# Altium PCB PuttPilot-Dev.PcbDoc (part 1 of 2) (continued)
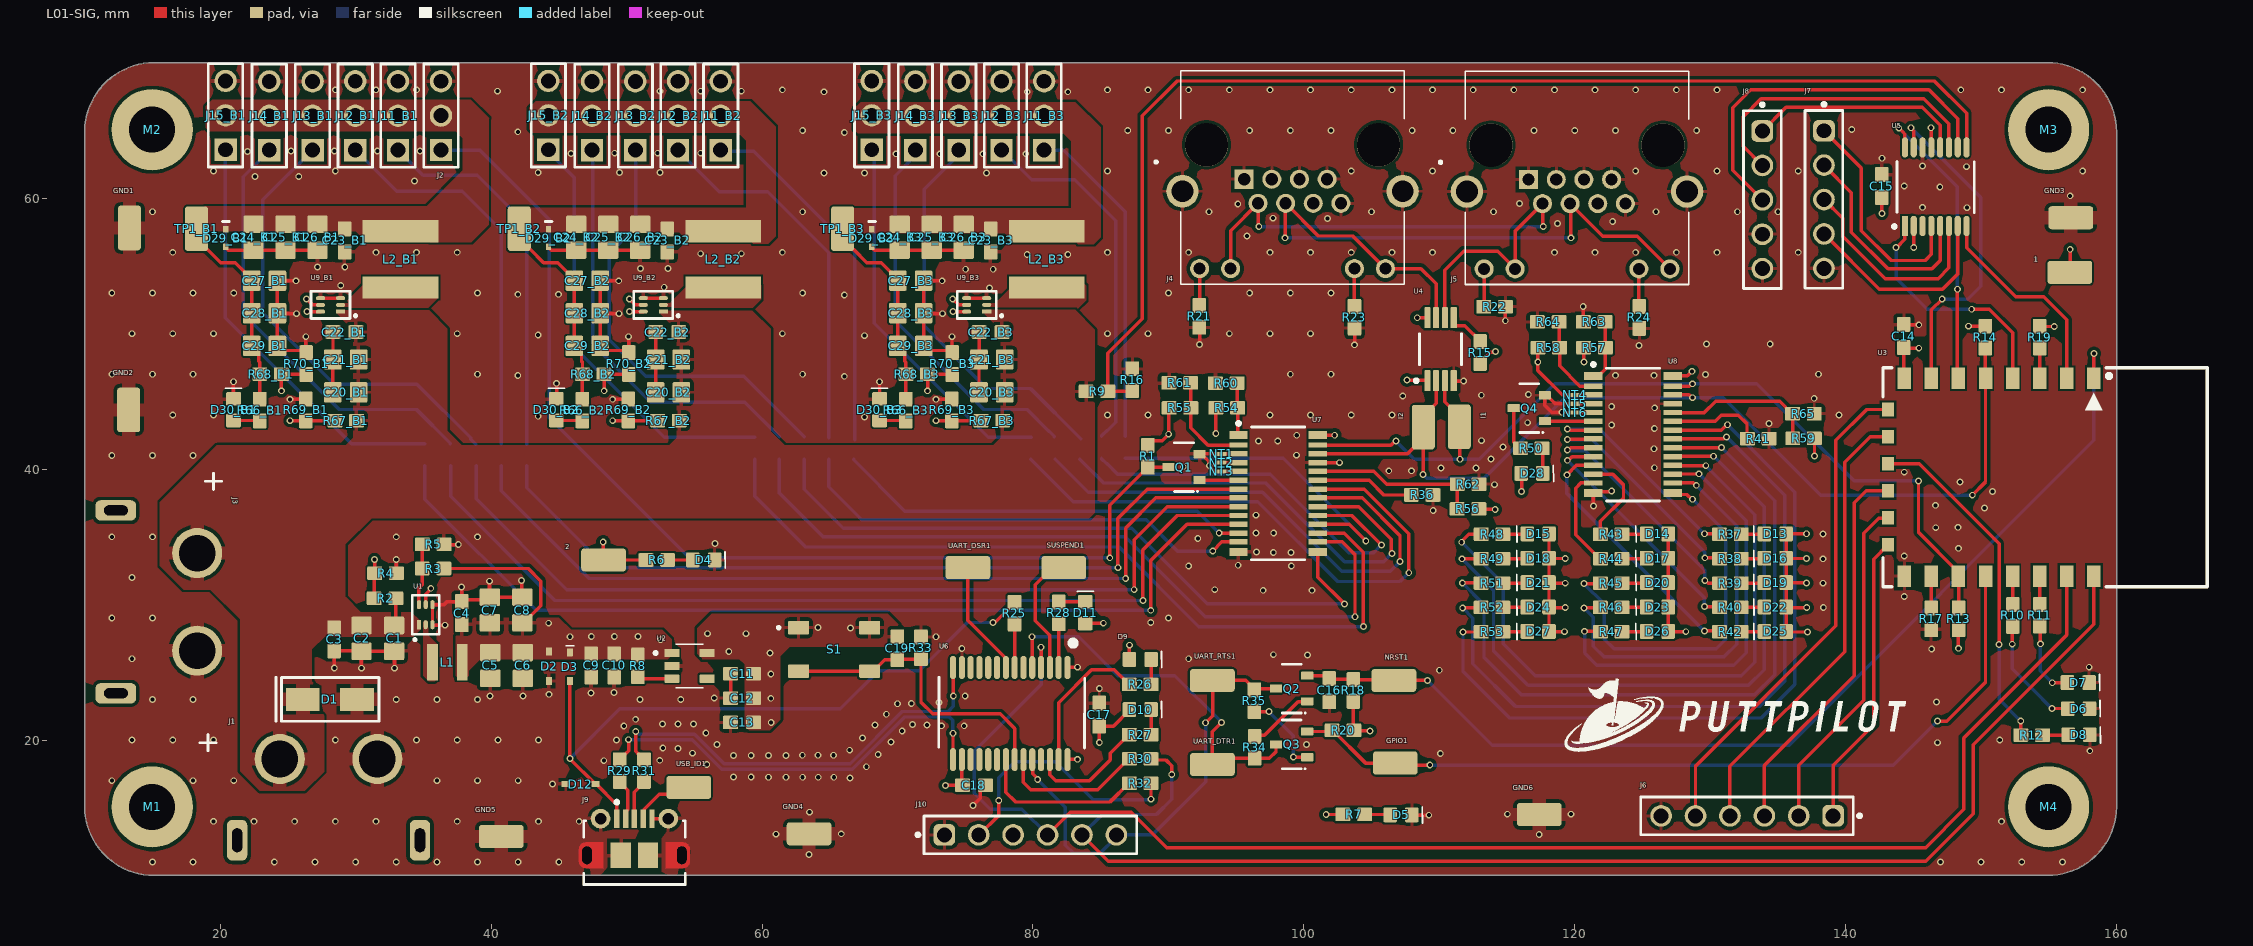
[diagram p0: L01-SIG view]
## Part data (continued)
L1: "FIXED IND 4.7uH 1.06A", Case/Size Code=1212, DC Resistance (DCR)=130m, Inductance-Nom (L)=4.7uH, Inductor Application="POWER INDUCTOR", Inductor Type="GENERAL PURPOSE INDUCTOR", Manufacturer="Taiyo Yuden", Max Operating Temperature=120°C, Min Operating Temperature=-25°C, Package Height=1.2mm, Package Length=3mm, Package Style=SMTMeter, Rated Current-Max=1.06A, Self Resonant Frequency=50MHz, Supplier Part Number 1=587-2591-1-ND, Test Frequency=100kHz, Tolerance=20%, Category="Fixed Inductors", ComponentLink1Description=https://datasheet.ciiva.com:443/pdfs/VipMasterIC/IC/TAIY/TAIY-S-A0009100136/TAIY-S-A0009100438-1.pdf?src-supplier=IHS+Markit, ComponentLink1URL=https://datasheet.ciiva.com:443/pdfs/VipMasterIC/IC/TAIY/TAIY-S-A0009100136/TAIY-S-A0009100438-1.pdf?src-supplier=IHS+Markit, ComponentLink2Description=https://datasheet.ciiva.com/6689/nrh3012t4r7mn-ss-6689125.pdf?src-supplier=Digikey, ComponentLink2URL=https://datasheet.ciiva.com/6689/nrh3012t4r7mn-ss-6689125.pdf?src-supplier=Digikey, ComponentLink3Description=https://datasheet.ciiva.com/25607/0900766b810b3cd2-25607859.pdf?src-supplier=Rs, ComponentLink3URL=https://datasheet.ciiva.com/25607/0900766b810b3cd2-25607859.pdf?src-supplier=Rs, ComponentLink4Description=https://datasheet.ciiva.com/8502/nrh3012t4r7mn-ss-8502637.pdf?src-supplier=Avnet, ComponentLink4URL=https://datasheet.ciiva.com/8502/nrh3012t4r7mn-ss-8502637.pdf?src-supplier=Avnet, ComponentLink5Description=https://datasheet.ciiva.com/8002/wound04-e-8002198.pdf?src-supplier=Element14, ComponentLink5URL=https://datasheet.ciiva.com/8002/wound04-e-8002198.pdf?src-supplier=Element14, Construction=Chip, Core Material=Ferrite, Manufacturer Part Number=NRH3012T4R7MN, Number of Functions=1, Number of Pins=2, Package Width=3mm, Packaging="Tape and Reel", Pricing 1="1=0.22, 10=0.174, 25=0.1572, 50=0.1458, 100=0.1351, 250=0.12216, 500=0.1132, 1000=0.10487 (USD)", Reach SVHC Compliant=Yes, RoHS=Yes, RoHS Compliant=Yes, Shape/Size Description="RECTANGULAR PACKAGE", Shielding=Shielded, Stock 1=136715, Supplier 1=Digikey, Surface Mount=Yes, Terminal Placement="Dual Ended", Termination="One Surface"
L2_B1 L2_B2 L2_B3: "FIXED IND 5.6uH 10A 15.8mOhm", Current Rating=10A, DC Resistance=15.8m, Inductance=5.6uH, Inductor Type="GENERAL PURPOSE INDUCTOR", Manufacturer=Bourns, Supplier Part Number 1=SRP6060FA-5R6MCT-ND, Category="Fixed Inductors", ComponentLink1Description=https://datasheet.ciiva.com:443/pdfs/VipMasterIC/IC/BOUR/BOUR-S-A0006601820/BOUR-S-A0006601820-1.pdf?src-supplier=IHS+Markit, ComponentLink1URL=https://datasheet.ciiva.com:443/pdfs/VipMasterIC/IC/BOUR/BOUR-S-A0006601820/BOUR-S-A0006601820-1.pdf?src-supplier=IHS+Markit, ComponentLink2Description=https://www.bourns.com/docs/Product-Datasheets/SRP6060FA.pdf?src-supplier=Digikey, ComponentLink2URL=https://www.bourns.com/docs/Product-Datasheets/SRP6060FA.pdf?src-supplier=Digikey, ComponentLink3Description=https://datasheet.octopart.com/SRP6060FA-5R6M-Bourns-datasheet-154834317.pdf?src-supplier=Electro+Sonic, ComponentLink3URL=https://datasheet.octopart.com/SRP6060FA-5R6M-Bourns-datasheet-154834317.pdf?src-supplier=Electro+Sonic, ComponentLink4Description=https://datasheet.octopart.com/SRP6060FA-5R6M-Bourns-datasheet-110646386.pdf?src-supplier=Master+Electronics, ComponentLink4URL=https://datasheet.octopart.com/SRP6060FA-5R6M-Bourns-datasheet-110646386.pdf?src-supplier=Master+Electronics, Manufacturer Part Number=SRP6060FA-5R6M, Pricing 1="1=1.86, 10=1.444, 25=1.3052, 50=1.209, 100=1.1199, 250=1.01164 (USD)", Reach SVHC Compliant=Yes, RoHS=Yes, RoHS Compliant=Yes, Stock 1=1553, Supplier 1=Digikey
M1 M2 M3 M4: ".HOLE M3"
NT1 NT2 NT3 NT4 NT5 NT6: ".GENERIC NET TIE"
Q1 Q4: "MOSFET N-CH 60V 1.6A SOT-23", Case/Package=SOT-23, Continuous Drain Current (ID)=1.6A, Drain to Source Resistance=140mR, Drain to Source Voltage (Vdss)=60V, Gate to Source Voltage (Vgs)=20V, Input Capacitance=315pF, Manufacturer=Diodes, Max Operating Temperature=150°C, Max Power Dissipation=700mW, Min Operating Temperature=-55°C, Package Quantity=1, Supplier Part Number 1=4046633, Threshold Voltage=3V, Category=MOSFETs, ComponentLink1Description=https://datasheet.ciiva.com/29747/dmn6140l-29747654.pdf?src-supplier=Digikey, ComponentLink1URL=https://datasheet.ciiva.com/29747/dmn6140l-29747654.pdf?src-supplier=Digikey, ComponentLink2Description=https://datasheet.ciiva.com/29747/dmn6140l-29747660.pdf?src-supplier=Digikey, ComponentLink2URL=https://datasheet.ciiva.com/29747/dmn6140l-29747660.pdf?src-supplier=Digikey, Fall Time=2.7ns, Lead Free="Lead Free", Manufacturer Part Number=DMN6140L-7, Mount="Surface Mount", Number of Channels=1, Number of Pins=3, Packaging="Tape and Reel", Polarity=N-CHANNEL, Pricing 1="3000=0.0489, 9000=0.047, 15000=0.0462, 45000=0.0445, 75000=0.043 (USD)", Rds On Max=140mR, Reach SVHC Compliant=No, Rise Time=3.6ns, RoHS=Yes, RoHS Compliant=Yes, Series=-, Stock 1=624000, Supplier 1="Future Electronics", Turn-Off Delay Time=16.3ns, Turn-On Delay Time=2.6ns, Weight=0.000282oz
Q2 Q3: "NPN BJT 40V 600mA SOT-23", Collector-emitter Voltage-Max=40V, DC Current Gain-Min (hFE)=40, Manufacturer=Diodes, Max Collector Current=600mA, Max Operating Temperature=150°C, Package Body Material=Plastic, Package Shape=Rectangular, Package Style="SMALL OUTLINEMeter", Peak Reflow Temperature (Cel)=260°C, Power Dissipation-Max (Abs)=300mW, Supplier Part Number 1=4135070, Time @ Peak Reflow Temperature-Max (s)=40s, Transition Frequency-Nom (fT)=300MHz, Additional Feature="HIGH RELIABILITY", Category=BJTs, ComponentLink1Description=https://datasheet.ciiva.com:443/pdfs/VipMasterIC/IC/DIOD/DIOD-S-A0001811952/DIOD-S-A0001811952-1.pdf?src-supplier=IHS+Markit, ComponentLink1URL=https://datasheet.ciiva.com:443/pdfs/VipMasterIC/IC/DIOD/DIOD-S-A0001811952/DIOD-S-A0001811952-1.pdf?src-supplier=IHS+Markit, ComponentLink2Description=https://datasheet.ciiva.com/15139/getdatasheetpartid-82692-15139078.pdf?src-supplier=Verical, ComponentLink2URL=https://datasheet.ciiva.com/15139/getdatasheetpartid-82692-15139078.pdf?src-supplier=Verical, ComponentLink3Description=https://datasheet.ciiva.com/11198/ds30041-11198965.pdf?src-supplier=Avnet, ComponentLink3URL=https://datasheet.ciiva.com/11198/ds30041-11198965.pdf?src-supplier=Avnet, ComponentLink4Description=https://datasheet.ciiva.com/11201/ds30041-11201864.pdf?src-supplier=Avnet, ComponentLink4URL=https://datasheet.ciiva.com/11201/ds30041-11201864.pdf?src-supplier=Avnet, ComponentLink5Description=https://datasheet.ciiva.com/972/ds30041-972550.pdf?src-supplier=Digikey, ComponentLink5URL=https://datasheet.ciiva.com/972/ds30041-972550.pdf?src-supplier=Digikey, ComponentLink6Description=https://datasheet.ciiva.com/972/ds30041-972551.pdf?src-supplier=Digikey, ComponentLink6URL=https://datasheet.ciiva.com/972/ds30041-972551.pdf?src-supplier=Digikey, ComponentLink7Description=https://datasheet.ciiva.com/972/ds30041-972552.pdf?src-supplier=Digikey, ComponentLink7URL=https://datasheet.ciiva.com/972/ds30041-972552.pdf?src-supplier=Digikey, ComponentLink8Description=https://datasheet.ciiva.com/16199/ds30041-16199045.pdf?src-supplier=Future+Electronics, ComponentLink8URL=https://datasheet.ciiva.com/16199/ds30041-16199045.pdf?src-supplier=Future+Electronics, ComponentLink9Description=https://datasheet.ciiva.com/8029/ds30041-8029709.pdf?src-supplier=Element14, ComponentLink9URL=https://datasheet.ciiva.com/8029/ds30041-8029709.pdf?src-supplier=Element14, JESD-30 Code=R-PDSO-G3, JESD-609 Code=e3, Manufacturer Part Number=MMBT2222A-7-F, Moisture Sensitivity Level=1, Number of Elements=1, Number of Pins=3, Polarity/Channel Type=NPN, Pricing 1="3000=0.013, 12000=0.0124, 30000=0.0121, 75000=0.0117, 120000=0.0112 (USD)", Qualification Status="Not Qualified", Reach SVHC Compliant=Yes, Reference Standard=AEC-Q101, RoHS=Yes, RoHS Compliant=Yes, Stock 1=6903000, Supplier 1="Future Electronics", Surface Mount=Yes, Terminal Finish=Tin, Terminal Form="Gull Wing", Terminal Position=DUAL, Transistor Application=SWITCHING, Transistor Element Material=SILICON, Turn-off Time-Max (toff)=285ns, Turn-on Time-Max (ton)=35ns
R1 R6 R7 R8 R10 R11 R12 R13 R14 R25 R30 R32 R33 R54 R55 R56 R57 R58 R59 R60 R61 R62 R63 R64 R65 R66_B1 R66_B2 R66_B3: "RES 1K OHM 0603", Manufacturer=Yageo, Max Operating Temperature=155°C, Min Operating Temperature=-55°C, Package Height=0.45mm, Package Length=1.6mm, Package Shape=Rectangular, Package Style=SMTMeter, Package Width=0.8mm, Rated Power Dissipation (P)=100mW, Rated Temperature=70°C, Resistance=1k, Resistor Type="FIXED RESISTOR", Supplier Part Number 1=4016291, Temperature Coefficient=100ppm/°C, Tolerance=1%, Working Voltage=75V, Additional Feature="LASER TRIMMABLE", Category="Chip SMD Resistors", ComponentLink1Description=https://datasheet.ciiva.com:443/pdfs/VipMasterIC/IC/YAGO/YAGO-S-A0008145938/YAGO-S-A0008145938-1.pdf?src-supplier=IHS+Markit, ComponentLink1URL=https://datasheet.ciiva.com:443/pdfs/VipMasterIC/IC/YAGO/YAGO-S-A0008145938/YAGO-S-A0008145938-1.pdf?src-supplier=IHS+Markit, ComponentLink2Description=https://datasheet.ciiva.com/11808/0900766b80f96399-11808081.pdf?src-supplier=Rs, ComponentLink2URL=https://datasheet.ciiva.com/11808/0900766b80f96399-11808081.pdf?src-supplier=Rs, ComponentLink3Description=https://datasheet.ciiva.com/8896/pyu-rc0603-51-rohs-l-4-8896106.pdf?src-supplier=Avnet, ComponentLink3URL=https://datasheet.ciiva.com/8896/pyu-rc0603-51-rohs-l-4-8896106.pdf?src-supplier=Avnet, ComponentLink4Description=https://datasheet.ciiva.com/7660/1868787-7660790.pdf?src-supplier=Element14, ComponentLink4URL=https://datasheet.ciiva.com/7660/1868787-7660790.pdf?src-supplier=Element14, ComponentLink5Description=https://datasheet.ciiva.com/7746/1738695-7746279.pdf?src-supplier=Element14, ComponentLink5URL=https://datasheet.ciiva.com/7746/1738695-7746279.pdf?src-supplier=Element14, ComponentLink6Description=https://datasheet.ciiva.com/7746/1686128-7746280.pdf?src-supplier=Element14, ComponentLink6URL=https://datasheet.ciiva.com/7746/1686128-7746280.pdf?src-supplier=Element14, ComponentLink7Description=https://datasheet.ciiva.com/7746/1738695-7746281.pdf?src-supplier=Element14, ComponentLink7URL=https://datasheet.ciiva.com/7746/1738695-7746281.pdf?src-supplier=Element14, ComponentLink8Description=https://datasheet.ciiva.com/7983/443971-7983613.pdf?src-supplier=Element14, ComponentLink8URL=https://datasheet.ciiva.com/7983/443971-7983613.pdf?src-supplier=Element14, ComponentLink9Description=https://datasheet.ciiva.com/15189/getdatasheetpartid-404327-15189644.pdf?src-supplier=Verical, ComponentLink9URL=https://datasheet.ciiva.com/15189/getdatasheetpartid-404327-15189644.pdf?src-supplier=Verical, Construction=Chip, JESD-609 Code=e3, Manufacturer Part Number=RC0603FR-071KL, Mount="Surface Mount", Number of Pins=2, Packaging="Tape and Reel", Pricing 1="5000=0.0026, 50000=0.0025, 150000=0.0024, 375000=0.0023, 1000000=0.0022 (USD)", Reach SVHC Compliant=Yes, RoHS=Yes, RoHS Compliant=Yes, Size Code=0603, Stock 1=12810000, Supplier 1="Future Electronics", Technology="METAL GLAZE/THICK FILM", Terminal Finish=Nickel, Termination=Wraparound
R2 R67_B1 R67_B2 R67_B3: "RES 20K OHM 0603", Manufacturer=Panasonic, Max Operating Temperature=155°C, Min Operating Temperature=-55°C, Package Height=0.45mm, Package Length=1.6mm, Package Shape=Rectangular, Package Style=SMTMeter, Package Width=0.8mm, Rated Power Dissipation (P)=100mW, Rated Temperature=70°C, Resistance=20k, Resistor Type="FIXED RESISTOR", Supplier Part Number 1=667-ERJ-3EKF2002V, Temperature Coefficient=100ppm/°C, Tolerance=1%, Working Voltage=75V, Category="Chip SMD Resistors", ComponentLink1Description=https://datasheet.ciiva.com:443/pdfs/VipMasterIC/IC/PANA/PANA-S-A0009889626/PANA-S-A0009889626-1.pdf?src-supplier=IHS+Markit, ComponentLink1URL=https://datasheet.ciiva.com:443/pdfs/VipMasterIC/IC/PANA/PANA-S-A0009889626/PANA-S-A0009889626-1.pdf?src-supplier=IHS+Markit, ComponentLink2Description=https://datasheet.ciiva.com/15158/getdatasheetpartid-248555-15158987.pdf?src-supplier=Verical, ComponentLink2URL=https://datasheet.ciiva.com/15158/getdatasheetpartid-248555-15158987.pdf?src-supplier=Verical, ComponentLink3Description=https://datasheet.ciiva.com/28688/1678782-28688604.pdf?src-supplier=Element14, ComponentLink3URL=https://datasheet.ciiva.com/28688/1678782-28688604.pdf?src-supplier=Element14, ComponentLink4Description=https://datasheet.ciiva.com/46377/1678782-46377365.pdf?src-supplier=Element14, ComponentLink4URL=https://datasheet.ciiva.com/46377/1678782-46377365.pdf?src-supplier=Element14, ComponentLink5Description=https://datasheet.ciiva.com/22749/1678782-22749661.pdf?src-supplier=Element14, ComponentLink5URL=https://datasheet.ciiva.com/22749/1678782-22749661.pdf?src-supplier=Element14, ComponentLink6Description=https://datasheet.ciiva.com/30218/aoa0000ce2-30218069.pdf?src-supplier=Onlinecomponents.com, ComponentLink6URL=https://datasheet.ciiva.com/30218/aoa0000ce2-30218069.pdf?src-supplier=Onlinecomponents.com, Construction=Rectangular, JESD-609 Code=e3, Manufacturer Part Number=ERJ-3EKF2002V, Mount="Surface Mount", Number of Pins=2, Packaging="Tape and Reel", Pricing 1="1=0.1, 10=0.02, 50=0.02, 100=0.012, 1000=0.009, 5000=0.005, 10000=0.005, 25000=0.004 (USD)", Reach SVHC Compliant=Yes, Reference Standard=AEC-Q200, RoHS=Yes, RoHS Compliant=Yes, Size Code=0603, Stock 1=221599, Supplier 1=Mouser, Technology="METAL GLAZE/THICK FILM", Terminal Finish=Nickel, Termination=Wraparound
R3: "RES 73.2K OHM 0603", Manufacturer=Yageo, Max Operating Temperature=155°C, Min Operating Temperature=-55°C, Package Height=0.45mm, Package Length=1.6mm, Package Shape=Rectangular, Package Style=SMTMeter, Package Width=0.8mm, Rated Power Dissipation (P)=100mW, Rated Temperature=70°C, Resistance=73.2k, Resistor Type="FIXED RESISTOR", Supplier Part Number 1=8036170, Temperature Coefficient=100ppm/°C, Tolerance=1%, Working Voltage=75V, Additional Feature="LASER TRIMMABLE", Category="Chip SMD Resistors", ComponentLink1Description=https://datasheet.ciiva.com:443/pdfs/VipMasterIC/IC/YAGO/YAGO-S-A0008145938/YAGO-S-A0008145938-1.pdf?src-supplier=IHS+Markit, ComponentLink1URL=https://datasheet.ciiva.com:443/pdfs/VipMasterIC/IC/YAGO/YAGO-S-A0008145938/YAGO-S-A0008145938-1.pdf?src-supplier=IHS+Markit, ComponentLink2Description=https://datasheet.ciiva.com/8888/pyu-rc0603-51-rohs-l-4-8888325.pdf?src-supplier=Avnet, ComponentLink2URL=https://datasheet.ciiva.com/8888/pyu-rc0603-51-rohs-l-4-8888325.pdf?src-supplier=Avnet, Construction=Chip, JESD-609 Code=e3, Manufacturer Part Number=RC0603FR-0773K2L, Mount="Surface Mount", Number of Pins=2, Packaging="Tape and Reel", Pricing 1="5000=0.0026, 50000=0.0025, 150000=0.0024, 375000=0.0023, 1000000=0.0022 (USD)", Reach SVHC Compliant=Yes, RoHS=Yes, RoHS Compliant=Yes, Size Code=0603, Stock 1=125000, Supplier 1="Future Electronics", Technology="METAL GLAZE/THICK FILM", Terminal Finish=Nickel, Termination=Wraparound
R4 R5 R15 R16 R17 R18 R19 R20 R34 R35 R36 R41 R69_B1 R69_B2 R69_B3 R70_B1 R70_B2 R70_B3: "RES 10K OHM 0603", Manufacturer=Yageo, Max Operating Temperature=155°C, Min Operating Temperature=-55°C, Package Height=0.45mm, Package Length=1.6mm, Package Shape=Rectangular, Package Style=SMTMeter, Package Width=0.8mm, Rated Power Dissipation (P)=100mW, Rated Temperature=70°C, Resistance=10k, Resistor Type="FIXED RESISTOR", Supplier Part Number 1=4023214, Temperature Coefficient=100ppm/°C, Tolerance=1%, Working Voltage=75V, Additional Feature="LASER TRIMMABLE", Category="Chip SMD Resistors", ComponentLink1Description=https://datasheet.ciiva.com:443/pdfs/VipMasterIC/IC/YAGO/YAGO-S-A0008145938/YAGO-S-A0008145938-1.pdf?src-supplier=IHS+Markit, ComponentLink1URL=https://datasheet.ciiva.com:443/pdfs/VipMasterIC/IC/YAGO/YAGO-S-A0008145938/YAGO-S-A0008145938-1.pdf?src-supplier=IHS+Markit, ComponentLink2Description=https://datasheet.ciiva.com/22747/443971-22747519.pdf?src-supplier=Element14, ComponentLink2URL=https://datasheet.ciiva.com/22747/443971-22747519.pdf?src-supplier=Element14, ComponentLink3Description=https://datasheet.ciiva.com/46440/1868787-46440891.pdf?src-supplier=Element14, ComponentLink3URL=https://datasheet.ciiva.com/46440/1868787-46440891.pdf?src-supplier=Element14, ComponentLink4Description=https://datasheet.ciiva.com/15189/getdatasheetpartid-409289-15189591.pdf?src-supplier=Verical, ComponentLink4URL=https://datasheet.ciiva.com/15189/getdatasheetpartid-409289-15189591.pdf?src-supplier=Verical, ComponentLink5Description=https://datasheet.ciiva.com/7660/38590-7660789.pdf?src-supplier=Element14, ComponentLink5URL=https://datasheet.ciiva.com/7660/38590-7660789.pdf?src-supplier=Element14, ComponentLink6Description=https://datasheet.ciiva.com/7746/1738695-7746239.pdf?src-supplier=Element14, ComponentLink6URL=https://datasheet.ciiva.com/7746/1738695-7746239.pdf?src-supplier=Element14, ComponentLink7Description=https://datasheet.ciiva.com/7983/443971-7983596.pdf?src-supplier=Element14, ComponentLink7URL=https://datasheet.ciiva.com/7983/443971-7983596.pdf?src-supplier=Element14, Construction=Chip, JESD-609 Code=e3, Manufacturer Part Number=RC0603FR-0710KL, Mount="Surface Mount", Number of Pins=2, Packaging="Tape and Reel", Pricing 1="5000=0.0026, 50000=0.0025, 150000=0.0024, 375000=0.0023, 1000000=0.0022 (USD)", Reach SVHC Compliant=Yes, RoHS=Yes, RoHS Compliant=Yes, Size Code=0603, Stock 1=30355000, Supplier 1="Future Electronics", Technology="METAL GLAZE/THICK FILM", Terminal Finish=Nickel, Termination=Wraparound
R9: "RES 140K OHM 0603", Case Code (Imperial)=0603, Case Code (Metric)=1608, Manufacturer=Yageo, Max Operating Temperature=155°C, Max Power Dissipation=100mW, Min Operating Temperature=-55°C, Resistance=140k, Supplier Part Number 1=311-140KHRCT-ND, Temperature Coefficient=100ppm/°C, Tolerance=1%, Voltage Rating=50V, Case/Package=0603, Category="Chip SMD Resistors", ComponentLink1Description=https://datasheet.ciiva.com/2453/pyu-r-int-thick-7-2453916.pdf?src-supplier=Digikey, ComponentLink1URL=https://datasheet.ciiva.com/2453/pyu-r-int-thick-7-2453916.pdf?src-supplier=Digikey, ComponentLink2Description=https://datasheet.ciiva.com/2453/pyu-r-int-thick-7-2453917.pdf?src-supplier=Digikey, ComponentLink2URL=https://datasheet.ciiva.com/2453/pyu-r-int-thick-7-2453917.pdf?src-supplier=Digikey, ComponentLink3Description=https://datasheet.ciiva.com/2453/pyu-r-int-thick-7-2453918.pdf?src-supplier=Digikey, ComponentLink3URL=https://datasheet.ciiva.com/2453/pyu-r-int-thick-7-2453918.pdf?src-supplier=Digikey, Features="Moisture Resistant", Height=0.45mm, Lead Free="Lead Free", Length=1.6mm, Manufacturer Part Number=RC0603FR-07140KL, Number of Terminations=2, Packaging="Tape and Reel", Power Rating=100mW, Pricing 1="1=0.1, 10=0.011, 50=0.0086, 500=0.00612, 1000=0.00408 (USD)", RoHS=Yes, RoHS Compliant=Yes, Series=RC, Size Code=0603, Stock 1=245928, Supplier 1=Digikey, Termination=SMD/SMT, Voltage Rating (DC)=50V, Width=0.8mm
R21 R22 R23 R24 R26 R27 R28: "RES 560 OHM 0603", Case Code (Imperial)=0603, Case Code (Metric)=1608, Manufacturer=Yageo, Max Operating Temperature=155°C, Max Power Dissipation=100mW, Min Operating Temperature=-55°C, Package Quantity=1, Resistance=560R, Resistance Tolerance=1%, Resistor Type="Thick Film", Supplier Part Number 1=3410891, Temperature Coefficient=100ppm/°C, Voltage Rating=75V, Voltage Rating (AC)=50V, Case/Package=0603, Category="Chip SMD Resistors", ComponentLink1Description=https://datasheet.ciiva.com/11808/0900766b80f96399-11808127.pdf?src-supplier=Rs, ComponentLink1URL=https://datasheet.ciiva.com/11808/0900766b80f96399-11808127.pdf?src-supplier=Rs, ComponentLink2Description=https://datasheet.ciiva.com/2454/pyu-r-int-thick-7-2454381.pdf?src-supplier=Digikey, ComponentLink2URL=https://datasheet.ciiva.com/2454/pyu-r-int-thick-7-2454381.pdf?src-supplier=Digikey, ComponentLink3Description=https://datasheet.ciiva.com/2454/pyu-r-int-thick-7-2454382.pdf?src-supplier=Digikey, ComponentLink3URL=https://datasheet.ciiva.com/2454/pyu-r-int-thick-7-2454382.pdf?src-supplier=Digikey, ComponentLink4Description=https://datasheet.ciiva.com/2454/pyu-r-int-thick-7-2454383.pdf?src-supplier=Digikey, ComponentLink4URL=https://datasheet.ciiva.com/2454/pyu-r-int-thick-7-2454383.pdf?src-supplier=Digikey, ComponentLink5Description=https://datasheet.ciiva.com/7746/443971-7746374.pdf?src-supplier=Element14, ComponentLink5URL=https://datasheet.ciiva.com/7746/443971-7746374.pdf?src-supplier=Element14, ComponentLink6Description=https://datasheet.ciiva.com/7746/443971-7746375.pdf?src-supplier=Element14, ComponentLink6URL=https://datasheet.ciiva.com/7746/443971-7746375.pdf?src-supplier=Element14, ComponentLink7Description=https://datasheet.ciiva.com/46412/443971-46412853.pdf?src-supplier=Element14, ComponentLink7URL=https://datasheet.ciiva.com/46412/443971-46412853.pdf?src-supplier=Element14, Construction=Rectangular, Depth=0.8mm, Features="Moisture Resistant", Height=0.45mm, Lead Free="Lead Free", Length=1.6mm, Manufacturer Part Number=RC0603FR-07560RL, Military Standard=Not, Number of Pins=2, Number of Terminations=2, Packaging="Tape and Reel", Power Rating=100mW, Pricing 1="5000=0.002, 50000=0.0019, 150000=0.0019, 375000=0.0018, 1000000=0.0017 (USD)", Reach SVHC Compliant=No, RoHS=Yes, RoHS Compliant=Yes, Series=RC, Stock 1=185000, Supplier 1="Future Electronics", Technology="THICK FILM", Termination=SMD/SMT, Tolerance=1%, Voltage Rating (DC)=50V, Weight=7.1E-05oz, Width=0.8mm
R29 R31: "RES 24 OHM 0603", Manufacturer=Yageo, Max Operating Temperature=155°C, Min Operating Temperature=-55°C, Package Height=0.45mm, Package Length=1.6mm, Package Shape=Rectangular, Package Style=SMTMeter, Package Width=0.8mm, Rated Power Dissipation (P)=100mW, Rated Temperature=70°C, Resistance=24R, Resistor Type="FIXED RESISTOR", Supplier Part Number 1=7556541, Temperature Coefficient=100ppm/°C, Tolerance=1%, Working Voltage=75V, Additional Feature="LASER TRIMMABLE", Category="Chip SMD Resistors", ComponentLink1Description=https://datasheet.ciiva.com:443/pdfs/VipMasterIC/IC/YAGO/YAGO-S-A0008145938/YAGO-S-A0008145938-1.pdf?src-supplier=IHS+Markit, ComponentLink1URL=https://datasheet.ciiva.com:443/pdfs/VipMasterIC/IC/YAGO/YAGO-S-A0008145938/YAGO-S-A0008145938-1.pdf?src-supplier=IHS+Markit, ComponentLink2Description=http://www.mouser.com/ds/2/447/RC0603-272842.pdf?src-supplier=Mouser, ComponentLink2URL=http://www.mouser.com/ds/2/447/RC0603-272842.pdf?src-supplier=Mouser, ComponentLink3Description=http://www.yageo.com/documents/recent/PYu-RC_Group_51_RoHS_L_9.pdf?src-supplier=Digikey, ComponentLink3URL=http://www.yageo.com/documents/recent/PYu-RC_Group_51_RoHS_L_9.pdf?src-supplier=Digikey, ComponentLink4Description=http://www.yageo.com/documents/recent/PYu-RC_Group_51_RoHS_L_10.pdf?src-supplier=Digikey, ComponentLink4URL=http://www.yageo.com/documents/recent/PYu-RC_Group_51_RoHS_L_10.pdf?src-supplier=Digikey, ComponentLink5Description=https://datasheet.octopart.com/RC0603FR-0724RL-Yageo-datasheet-164759695.pdf?src-supplier=Future+Electronics, ComponentLink5URL=https://datasheet.octopart.com/RC0603FR-0724RL-Yageo-datasheet-164759695.pdf?src-supplier=Future+Electronics, Construction=Chip, JESD-609 Code=e3, Manufacturer Part Number=RC0603FR-0724RL, Mount="Surface Mount", Number of Pins=2, Packaging="Tape and Reel", Pricing 1="5000=0.0021, 50000=0.002, 150000=0.002, 375000=0.0019, 1000000=0.0018 (USD)", Reach SVHC Compliant=Yes, RoHS=Yes, RoHS Compliant=Yes, Size Code=0603, Stock 1=25000, Supplier 1="Future Electronics", Technology="METAL GLAZE/THICK FILM", Terminal Finish=Nickel, Termination=Wraparound
R37 R38 R39 R40 R42 R43 R44 R45 R46 R47 R48 R49 R50 R51 R52 R53 R71_B1 R71_B2 R71_B3 R72_B1 R72_B2 R72_B3 R73_B1 R73_B2 R73_B3 R74_B1 R74_B2 R74_B3 R75_B1 R75_B2 R75_B3: "RES 240 OHM 0603", Manufacturer=Yageo, Max Operating Temperature=155°C, Min Operating Temperature=-55°C, Package Height=0.45mm, Package Length=1.6mm, Package Shape=Rectangular, Package Style=SMTMeter, Package Width=0.8mm, Rated Power Dissipation (P)=100mW, Rated Temperature=70°C, Resistance=240R, Resistor Type="FIXED RESISTOR", Supplier Part Number 1=5308184, Temperature Coefficient=100ppm/°C, Tolerance=1%, Working Voltage=75V, Additional Feature="LASER TRIMMABLE", Category="Chip SMD Resistors", ComponentLink1Description=https://datasheet.ciiva.com:443/pdfs/VipMasterIC/IC/YAGO/YAGO-S-A0008145938/YAGO-S-A0008145938-1.pdf?src-supplier=IHS+Markit, ComponentLink1URL=https://datasheet.ciiva.com:443/pdfs/VipMasterIC/IC/YAGO/YAGO-S-A0008145938/YAGO-S-A0008145938-1.pdf?src-supplier=IHS+Markit, ComponentLink2Description=https://datasheet.ciiva.com/2508/pyu-r-int-thick-7-2508497.pdf?src-supplier=Digikey, ComponentLink2URL=https://datasheet.ciiva.com/2508/pyu-r-int-thick-7-2508497.pdf?src-supplier=Digikey, ComponentLink3Description=https://datasheet.ciiva.com/2508/pyu-r-int-thick-7-2508498.pdf?src-supplier=Digikey, ComponentLink3URL=https://datasheet.ciiva.com/2508/pyu-r-int-thick-7-2508498.pdf?src-supplier=Digikey, ComponentLink4Description=https://datasheet.ciiva.com/2508/pyu-r-int-thick-7-2508499.pdf?src-supplier=Digikey, ComponentLink4URL=https://datasheet.ciiva.com/2508/pyu-r-int-thick-7-2508499.pdf?src-supplier=Digikey, Construction=Chip, JESD-609 Code=e3, Manufacturer Part Number=RC0603FR-07240RL, Mount="Surface Mount", Number of Pins=2, Packaging="Tape and Reel", Pricing 1="5000=0.0026, 50000=0.0025, 150000=0.0024, 375000=0.0023, 1000000=0.0022 (USD)", Reach SVHC Compliant=Yes, RoHS=Yes, RoHS Compliant=Yes, Size Code=0603, Stock 1=1760000, Supplier 1="Future Electronics", Technology="METAL GLAZE/THICK FILM", Terminal Finish=Nickel, Termination=Wraparound
R68_B1 R68_B2 R68_B3: "RES 88.7K OHM 0603", Manufacturer=Yageo, Max Operating Temperature=155°C, Min Operating Temperature=-55°C, Package Height=0.45mm, Package Length=1.6mm, Package Shape=Rectangular, Package Style=SMTMeter, Package Width=0.8mm, Rated Power Dissipation (P)=100mW, Rated Temperature=70°C, Resistance=88.7k, Resistor Type="FIXED RESISTOR", Supplier Part Number 1=6138945, Temperature Coefficient=100ppm/°C, Tolerance=1%, Working Voltage=75V, Additional Feature="LASER TRIMMABLE", Category="Chip SMD Resistors", ComponentLink1Description=https://datasheet.ciiva.com:443/pdfs/VipMasterIC/IC/YAGO/YAGO-S-A0008145938/YAGO-S-A0008145938-1.pdf?src-supplier=IHS+Markit, ComponentLink1URL=https://datasheet.ciiva.com:443/pdfs/VipMasterIC/IC/YAGO/YAGO-S-A0008145938/YAGO-S-A0008145938-1.pdf?src-supplier=IHS+Markit, ComponentLink2Description=https://datasheet.ciiva.com/2454/pyu-r-int-thick-7-2454108.pdf?src-supplier=Digikey, ComponentLink2URL=https://datasheet.ciiva.com/2454/pyu-r-int-thick-7-2454108.pdf?src-supplier=Digikey, ComponentLink3Description=https://datasheet.ciiva.com/2454/pyu-r-int-thick-7-2454109.pdf?src-supplier=Digikey, ComponentLink3URL=https://datasheet.ciiva.com/2454/pyu-r-int-thick-7-2454109.pdf?src-supplier=Digikey, ComponentLink4Description=https://datasheet.ciiva.com/2454/pyu-r-int-thick-7-2454110.pdf?src-supplier=Digikey, ComponentLink4URL=https://datasheet.ciiva.com/2454/pyu-r-int-thick-7-2454110.pdf?src-supplier=Digikey, ComponentLink5Description=https://datasheet.ciiva.com/8883/pyu-rc0603-51-rohs-l-4-8883082.pdf?src-supplier=Avnet, ComponentLink5URL=https://datasheet.ciiva.com/8883/pyu-rc0603-51-rohs-l-4-8883082.pdf?src-supplier=Avnet, Construction=Chip, JESD-609 Code=e3, Manufacturer Part Number=RC0603FR-0788K7L, Mount="Surface Mount", Number of Pins=2, Packaging="Tape and Reel", Pricing 1="5000=0.0014, 50000=0.0025, 75000=0.0013, 150000=0.0024, 250000=0.0013, 375000=0.0023, 750000=0.0012, 1000000=0.0022, 2500000=0.0011 (USD)", Reach SVHC Compliant=Yes, RoHS=Yes, RoHS Compliant=Yes, Size Code=0603, Stock 1=485000, Supplier 1="Future Electronics", Technology="METAL GLAZE/THICK FILM", Terminal Finish=Nickel, Termination=Wraparound
S1: "SWITCH TACTILE SPST-NO 0.05A 12V", Manufacturer="ITT C&K", Supplier Part Number 1=PTS647SN38SMTR2LFSCT-ND, ComponentLink1Description=https://www.ckswitches.com/media/2567/pts647.pdf?src-supplier=Digikey, ComponentLink1URL=https://www.ckswitches.com/media/2567/pts647.pdf?src-supplier=Digikey, ComponentLink2Description=https://datasheet.octopart.com/PTS647SN38SMTR2LFS-C%26K-Components-datasheet-117317067.pdf?src-supplier=Future+Electronics, ComponentLink2URL=https://datasheet.octopart.com/PTS647SN38SMTR2LFS-C%26K-Components-datasheet-117317067.pdf?src-supplier=Future+Electronics, ComponentLink3Description=https://datasheet.octopart.com/PTS647SN38SMTR2LFS-C%26K-Components-datasheet-156105943.pdf?src-supplier=TME, ComponentLink3URL=https://datasheet.octopart.com/PTS647SN38SMTR2LFS-C%26K-Components-datasheet-156105943.pdf?src-supplier=TME, Manufacturer Part Number=PTS647SN38SMTR2LFS, Pricing 1="1=0.26, 10=0.249, 25=0.236, 100=0.2138, 250=0.19488, 500=0.18114, 1000=0.15453 (USD)", RoHS=No, RoHS Compliant=Yes, Stock 1=23499, Supplier 1=Digikey
U1 U9_B1 U9_B2 U9_B3: "BUCK 3V-16V 6A SOT-563", Manufacturer="Texas Instruments", Supplier Part Number 1=595-TPS566242DRLR, Category="Voltage Regulators - Switching", Manufacturer Part Number=TPS566242DRLR, Pricing 1="1=0.77, 10=0.667, 50=0.667, 100=0.511, 1000=0.324, 10000=0.259 (USD)", RoHS=No, Stock 1=5599, Supplier 1=Mouser
U2: "3V3 (Fixed) LDO 500mA SOT25", Manufacturer="Texas Instruments", Max Output Current=500mA, Output Voltage=3.3V, Package=SOT-23-5, Supplier Part Number 1=595-TLV75533PDBVR, ComponentLink1Description=https://www.ti.com:443/lit/ds/symlink/tlv755p.pdf?src-supplier=IHS+Markit, ComponentLink1URL=https://www.ti.com:443/lit/ds/symlink/tlv755p.pdf?src-supplier=IHS+Markit, ComponentLink2Description=http://www.ti.com/lit/ds/symlink/tlv755p.pdf?src-supplier=Digikey, ComponentLink2URL=http://www.ti.com/lit/ds/symlink/tlv755p.pdf?src-supplier=Digikey, ComponentLink3Description=http://www.ti.com/general/docs/suppproductinfo.tsp?distId=10&amp;gotoUrl=http%3A%2F%2Fwww.ti.com%2Flit%2Fgpn%2Ftlv755p&src-supplier=Digikey, ComponentLink3URL=http://www.ti.com/general/docs/suppproductinfo.tsp?distId=10&amp;gotoUrl=http%3A%2F%2Fwww.ti.com%2Flit%2Fgpn%2Ftlv755p&src-supplier=Digikey, Manufacturer Part Number=TLV75533PDBVR, Supplier 1=Mouser
U3: "ESP8266 + Trace Antenna, 4MB Flash"
U4: "I2C BUFFER IC", Manufacturer="Texas Instruments", Max Operating Temperature=85°C, Max Supply Voltage=5.5V, Min Operating Temperature=-40°C, Min Supply Voltage=2.7V, Package Body Material=Plastic, Package Code=TSSOP, Package Equivalence Code=TSSOP8,.19, Package Shape=Square, Package Style="SMALL OUTLINE, THIN PROFILE, SHRINK PITCHMeter", Peak Reflow Temperature (Cel)=260°C, Power Supplies=3/5V, Supplier Part Number 1=296-30283-1-ND, Temperature Grade=INDUSTRIAL, Category="Interface ICs", ComponentLink1Description=https://www.ti.com:443/lit/ds/symlink/tca9509.pdf?src-supplier=IHS+Markit, ComponentLink1URL=https://www.ti.com:443/lit/ds/symlink/tca9509.pdf?src-supplier=IHS+Markit, ComponentLink2Description=https://datasheet.ciiva.com/22791/tca9509-22791264.pdf?src-supplier=Farnell, ComponentLink2URL=https://datasheet.ciiva.com/22791/tca9509-22791264.pdf?src-supplier=Farnell, ComponentLink3Description=https://datasheet.ciiva.com/3149/tca9509-3149522.pdf?src-supplier=Avnet, ComponentLink3URL=https://datasheet.ciiva.com/3149/tca9509-3149522.pdf?src-supplier=Avnet, ComponentLink4Description=https://datasheet.ciiva.com/26911/getdatasheetpartid-476504-26911504.pdf?src-supplier=Verical, ComponentLink4URL=https://datasheet.ciiva.com/26911/getdatasheetpartid-476504-26911504.pdf?src-supplier=Verical, ComponentLink5Description=https://datasheet.ciiva.com/41460/001187989-da-01-en-ic-i2c-bus-rep-l-tca9509dgkr-vssop-8-tid-41460370.pdf?src-supplier=Conrad, ComponentLink5URL=https://datasheet.ciiva.com/41460/001187989-da-01-en-ic-i2c-bus-rep-l-tca9509dgkr-vssop-8-tid-41460370.pdf?src-supplier=Conrad, ComponentLink6Description=https://datasheet.ciiva.com/1784/tca9509-1784225.pdf?src-supplier=Digikey, ComponentLink6URL=https://datasheet.ciiva.com/1784/tca9509-1784225.pdf?src-supplier=Digikey, ComponentLink7Description=https://datasheet.ciiva.com/1784/tca9509-1784226.pdf?src-supplier=Digikey, ComponentLink7URL=https://datasheet.ciiva.com/1784/tca9509-1784226.pdf?src-supplier=Digikey, ComponentLink8Description=https://datasheet.ciiva.com/1784/tca9509-1784227.pdf?src-supplier=Digikey, ComponentLink8URL=https://datasheet.ciiva.com/1784/tca9509-1784227.pdf?src-supplier=Digikey, Height - Seated (Max)=1.1mm, Interface IC Type="INTERFACE CIRCUIT", JESD-30 Code=S-PDSO-G8, JESD-609 Code=e4, Length=3mm, Manufacturer Part Number=TCA9509DGKR, Moisture Sensitivity Level=1, Number of Functions=1, Number of Pins=8, Pricing 1="1=1.27, 10=0.885, 25=0.7892, 100=0.6844, 250=0.63436, 500=0.60416, 1000=0.57931 (USD)", Qualification Status="Not Qualified", Reach SVHC Compliant=Yes, RoHS=Yes, RoHS Compliant=Yes, Stock 1=54600, Supplier 1=Digikey, Surface Mount=Yes, Terminal Finish=Gold, Terminal Form="Gull Wing", Terminal Pitch=0.65mm, Terminal Position=DUAL, Width=3mm
U5: "Single-Ended Multiplexer, 1 Func, 8 Channel, CMOS, PDSO16", Manufacturer="Texas Instruments", Supplier Part Number 1=595-TMUX1208PWR, Analog IC - Other Type="SINGLE-ENDED MULTIPLEXER", Category="Decoders and Multiplexers", ComponentLink1Description=https://www.ti.com:443/lit/ds/symlink/tmux1208.pdf?src-supplier=IHS+Markit, ComponentLink1URL=https://www.ti.com:443/lit/ds/symlink/tmux1208.pdf?src-supplier=IHS+Markit, ComponentLink2Description=http://www.ti.com/general/docs/suppproductinfo.tsp?distId=10&amp;gotoUrl=http%3A%2F%2Fwww.ti.com%2Flit%2Fgpn%2Ftmux1208&src-supplier=Digikey, ComponentLink2URL=http://www.ti.com/general/docs/suppproductinfo.tsp?distId=10&amp;gotoUrl=http%3A%2F%2Fwww.ti.com%2Flit%2Fgpn%2Ftmux1208&src-supplier=Digikey, Manufacturer Part Number=TMUX1208PWR, Pricing 1="1=0.71, 10=0.437, 50=0.437, 100=0.348, 1000=0.311, 10000=0.287 (USD)", Reach SVHC Compliant=Yes, RoHS=Yes, RoHS Compliant=Yes, Stock 1=17357, Supplier 1=Mouser
U6: "USB to UART SOP 28 Pin", Manufacturer=Infineon, Supplier Part Number 1=727-CY7C6422528PVXCT, ComponentLink1Description=https://datasheet.octopart.com/CY7C64225-28PVXCT-Infineon-datasheet-176345636.pdf?src-supplier=Future+Electronics, ComponentLink1URL=https://datasheet.octopart.com/CY7C64225-28PVXCT-Infineon-datasheet-176345636.pdf?src-supplier=Future+Electronics, Manufacturer Part Number=CY7C64225-28PVXCT, Pricing 1="1=3.8, 10=3.23, 50=3.23, 100=2.8, 1000=2, 10000=1.9 (USD)", RoHS=No, Stock 1=2089, Supplier 1=Mouser
U7 U8: "I2C LED Driver", Manufacturer="NXP Semiconductors", Max Operating Temperature=85°C, Max Supply Voltage=5.5V, Min Operating Temperature=-40°C, Min Supply Voltage=2.3V, Package Body Material=Plastic, Package Code=TSSOP, Package Equivalence Code=TSSOP28,.25, Package Shape=Rectangular, Package Style="SMALL OUTLINE, THIN PROFILE, SHRINK PITCHMeter", Peak Reflow Temperature (Cel)=260°C, Power Supplies=2.5/5V, Supplier Part Number 1=85AC2130, Supply Voltage-Nom=3V, Temperature Grade=INDUSTRIAL, Time @ Peak Reflow Temperature-Max (s)=30s, Category="LED Drivers", ComponentLink1Description=https://datasheet.ciiva.com:443/pdfs/VipMasterIC/IC/PHGL/PHGL-S-A0000775254/PHGL-S-A0000775254-1.pdf?src-supplier=IHS+Markit, ComponentLink1URL=https://datasheet.ciiva.com:443/pdfs/VipMasterIC/IC/PHGL/PHGL-S-A0000775254/PHGL-S-A0000775254-1.pdf?src-supplier=IHS+Markit, ComponentLink2Description=https://datasheet.ciiva.com/1945/pca9685-1945096.pdf?src-supplier=Digikey, ComponentLink2URL=https://datasheet.ciiva.com/1945/pca9685-1945096.pdf?src-supplier=Digikey, ComponentLink3Description=https://datasheet.ciiva.com/8125/pca9685-8125354.pdf?src-supplier=Avnet, ComponentLink3URL=https://datasheet.ciiva.com/8125/pca9685-8125354.pdf?src-supplier=Avnet, Data Input Mode=SERIAL, fmax-Min=1MHz, Height - Seated (Max)=1.1mm, Interface IC Type="LED DISPLAY DRIVER", JESD-30 Code=R-PDSO-G28, JESD-609 Code=e4, Length=9.7mm, Manufacturer Part Number=PCA9685PW,112, Moisture Sensitivity Level=1, Multiplexed Display Capability=No, Number of Functions=1, Number of Pins=28, Number of Segments=16, Pricing 1="1=1.3, 10=1.3, 25=1.3, 50=1.3, 100=1.3, 250=1.29, 500=1.27 (USD)", Qualification Status="Not Qualified", Reach SVHC Compliant=Yes, RoHS=Yes, RoHS Compliant=Yes, Stock 1=13575, Supplier 1=Newark, Surface Mount=Yes, Terminal Finish=Gold, Terminal Form="Gull Wing", Terminal Pitch=0.65mm, Terminal Position=DUAL, Width=4.4mm

## Via types
v1: diameter 0.5, hole 0.3, L01-SIG to L04-SIG, tented both sides, 557 vias

## Nets (pads, with @x,y where several pads share a name; then routed paths per layer and width w, separated by ;. In a path a pad name is that pad's centre, name@x,y a point inside that pad or via, vN(x,y) a via of type N, cw(c..) or ccw(c..) an arc to the next point about the centre after c; other vN are vias at no path point)
3V3: 1.1 C11.2 C12.2 C13.2 C14.2 C15.2 C17.2 C18.2 C19.1 D9.1 D10.1 D11.1 J10.3 R7.2 R13.2 R14.2 R15.2 R18.2 R19.2 R20.2 S1.1 S1.2 U2.5 U3.8 U4.1 U4.8 U5.2 U5.13 U6.16 U6.28 | length 32.2
  L01-SIG w0.254: C13.2@59.371,21.289 C13.2@59.377,21.295 ; v1(73.55,16.65) 74.793,16.65 C18.2@74.798,16.655 74.75,16.703 U6.16@74.75,18.555 ; C18.2@74.95,17.028 75.198,16.78 C18.2@75.198,16.68 ; U6.28@82.55,18.555 82.57,18.575 v1(83.3,18.575) ; D11.1@83.865,28.6 83.89,28.625 v1(85.2,28.625) ; v1(84.9,19.825) 84.9,21.018 C17.2@84.895,21.023 85.948,21.023 87.125,22.2 D10.1@87.125,22.25 ; D9.1@87.125,25.95 v1(87.125,27) ; v1(101.65,14.5) 102.879,14.5 R7.2@102.882,14.504 ; R18.2@103.661,22.857 103.661,20.743 R20.2@103.693,20.711 103.729,20.675 v1(104.875,20.675) ; v1(107.625,46.575) 109.068,46.575 U4.1@109.118,46.525 ; v1(108.375,51.175) U4.8@109.118,51.175 ; R15.2@113.011,47.807 113.011,47.857 113.782,48.628 114.103,48.628 v1(114.15,48.675) ; C15.2@142.67,60.048 142.675,60.043 v1(142.675,58.875) ; U3.8@144.325,46.7 144.295,46.73 C14.2@144.295,48.973 144.343,48.925 v1(145.4,48.925) ; v1(145.025,56.35) U5.2@145.025,57.95 ; v1(146.3,65.2) 146.312,65.187 146.312,63.763 U5.13@146.325,63.75 ; v1(148.325,26.77) R13.2@148.325,28.146 ; v1(149.075,50.55) 150.307,50.55 R14.2@150.314,50.543 ; R19.2@154.314,50.543 154.332,50.525 v1(155.4,50.525) ; 1.1@156.55,54.525 156.575,54.55 v1(156.575,56.225)
  other v1: 60.675,21.3 60.65,23.075 60.65,24.875 60.6,26.425 57.55,26.525 55.975,27.85 58.825,27.85 66.525,28.275 64.125,28.3
3V3_EN: R8.1 U2.3 | length 2.6
  L01-SIG w0.254: R8.1@50.839,24.668 50.982,24.525 U2.3@53.35,24.525
5V: 2.1 C4.2 C5.2 C6.2 C7.2 C8.2 C9.2 C10.2 D2.2 D3.2 D13.1 D14.1 D15.1 D16.1 D17.1 D18.1 D19.1 D20.1 D21.1 D22.1 D23.1 D24.1 D25.1 D26.1 D27.1 D28.1 L1.2 NT4.1 R1.2 R3.2 R6.2 R8.2 R54.2 R55.2 R56.2 R57.2 R58.2 R59.2 U2.1 U7.28 U8.28 | length 69.4
  L01-SIG w0.254: R3.2@36.518,32.661 42.739,32.661 43.675,31.725 43.675,29.909 42.411,28.645 C8.2@42.311,28.645 ; v1(48.275,34.625) 48.275,33.325 2.1@48.305,33.295 48.311,33.289 R6.2@51.432,33.289 ; R1.2@88.489,41.743 88.837,42.091 89.541,42.091 v1(90.025,42.575) 90.025,44.482 R55.2@90.057,44.514 ; v1(93.5,42.625) 93.507,42.632 R54.2@93.507,44.514 ; U7.28@101.026,42.526 101.039,42.513 102.262,42.513 v1(102.275,42.5) ; R56.2@112.918,37.061 112.954,37.025 v1(114.125,37.025) ; D28.1@116.05,39.685 116.075,39.66 v1(116.075,38.35) ; R58.2@117.282,48.964 117.274,48.956 v1(117.274,47.899) 117.274,47.276 119.075,45.475 NT4.1@119.667,45.475 ; D15.1@118.1,35.215 D18.1@118.1,33.415 ; v1(119.25,28) 118.115,28 D27.1@118.1,28.015 D24.1@118.1,29.815 ; v1(119.3,29.775) 118.14,29.775 D24.1@118.1,29.815 ; v1(119.3,31.575) 118.14,31.575 D21.1@118.1,31.615 ; v1(119.3,33.4) 118.115,33.4 D18.1@118.1,33.415 ; R57.2@120.657,48.964 120.674,48.947 v1(120.674,47.899) ; D14.1@126.9,35.215 D17.1@126.9,33.415 D20.1@126.9,31.615 D23.1@126.9,29.815 D26.1@126.9,28.015 126.915,28 v1(128.2,28) ; U8.28@127.226,46.876 128.325,46.876 v1(128.665,47.216) ; v1(137.1,31.6) 135.615,31.6 D19.1@135.6,31.615 ; v1(137.1,33.4) 135.615,33.4 D16.1@135.6,33.415 ; v1(137.1,35.225) 135.61,35.225 D13.1@135.6,35.215 D16.1@135.6,33.415 ; v1(137.125,29.775) 135.64,29.775 D22.1@135.6,29.815 ; v1(137.175,27.975) 135.64,27.975 D25.1@135.6,28.015 D22.1@135.6,29.815 ; R59.2@137.693,42.261 137.7,42.254 v1(137.7,40.975) ; D24.1@118.1,29.815 D21.1@118.1,31.615 ; D21.1@118.1,31.615 D18.1@118.1,33.415 ; D22.1@135.6,29.815 D19.1@135.6,31.615 ; D19.1@135.6,31.615 D16.1@135.6,33.415
  other v1: 52.5,27.4 45.825,27.625 47.4,27.65 49.1,27.65 50.85,27.65 44.25,28.625
5V_EN: R2.1 R4.2 U1.5 | length 9.3
  L01-SIG w0.254: R2.1@31.368,30.461 31.387,30.481 31.387,32.294 R4.2@31.407,32.314 31.4,32.321 v1(31.4,33.325) ; U1.5@35.175,29.99 35.175,30.758 35.55,31.133 v1(35.55,31.2)
  L03-PWR w0.254: v1(31.4,33.325) 33.525,31.2 v1(35.55,31.2)
5V_FB: R3.1 R5.2 U1.6 | length 4.6
  L01-SIG w0.254: U1.6@34.675,29.99 34.675,31.217 34.918,31.46 R3.1@34.918,32.661 34.925,32.668 34.925,34.432 R5.2@34.932,34.439 R5.2@34.921,34.45
5V_SW: L1.1 U1.2
6V_BUS1: C23_B1.2 C24_B1.2 C25_B1.2 C26_B1.2 C27_B1.2 C28_B1.2 C29_B1.2 D29_B1.1 J2.2 J11_B1.2 J12_B1.2 J13_B1.2 J14_B1.2 J15_B1.2 L2_B1.2 R66_B1.2 R68_B1.2 TP1_B1.1 | length 15.2
  L01-SIG w0.254: TP1_B1.1@18.254,57.75 18.254,56.996 19.023,56.227 19.053,56.227 20.042,55.238 21.1,55.238 22.328,54.01 C27_B1.2@22.328,53.91 C28_B1.2@22.328,51.508 C29_B1.2@22.328,49.095 22.851,48.572 22.851,47.965 22.923,47.893 R68_B1.2@22.923,47.012 22.917,47.006 R66_B1.2@22.917,45.156
6V_BUS2: C23_B2.2 C24_B2.2 C25_B2.2 C26_B2.2 C27_B2.2 C28_B2.2 C29_B2.2 D29_B2.1 J11_B2.2 J12_B2.2 J13_B2.2 J14_B2.2 J15_B2.2 L2_B2.2 R66_B2.2 R68_B2.2 TP1_B2.1 | length 15.2
  L01-SIG w0.254: TP1_B2.1@42.079,57.75 42.079,56.996 42.848,56.227 42.878,56.227 43.867,55.238 44.925,55.238 46.153,54.01 C27_B2.2@46.153,53.91 C28_B2.2@46.153,51.508 C29_B2.2@46.153,49.095 46.676,48.572 46.676,47.965 46.748,47.893 R68_B2.2@46.748,47.012 46.742,47.006 R66_B2.2@46.742,45.156
6V_BUS3: C23_B3.2 C24_B3.2 C25_B3.2 C26_B3.2 C27_B3.2 C28_B3.2 C29_B3.2 D29_B3.1 J11_B3.2 J12_B3.2 J13_B3.2 J14_B3.2 J15_B3.2 L2_B3.2 R66_B3.2 R68_B3.2 TP1_B3.1 | length 15.2
  L01-SIG w0.254: TP1_B3.1@65.954,57.75 65.954,56.996 66.723,56.227 66.753,56.227 67.742,55.238 68.8,55.238 70.028,54.01 C27_B3.2@70.028,53.91 C28_B3.2@70.028,51.508 C29_B3.2@70.028,49.095 70.551,48.572 70.551,47.965 70.623,47.893 R68_B3.2@70.623,47.012 70.617,47.006 R66_B3.2@70.617,45.156
6V_EN_B1: R67_B1.1 R69_B1.2 U9_B1.5 | length 14.8
  L01-SIG w0.254: v1(25.15,43.575) 26.306,43.575 R69_B1.2@26.317,43.564 26.333,43.58 R67_B1.1@28.47,43.58 ; v1(26.377,52.56) 26.817,52.12 U9_B1.5@27.409,52.12
  L03-PWR w0.254: v1(25.15,43.575) 27.25,45.675 27.25,51.687 v1(26.377,52.56)
6V_EN_B2: R67_B2.1 R69_B2.2 U9_B2.5 | length 14.8
  L01-SIG w0.254: v1(48.975,43.575) 50.131,43.575 R69_B2.2@50.142,43.564 50.158,43.58 R67_B2.1@52.295,43.58 ; v1(50.202,52.56) 50.642,52.12 U9_B2.5@51.234,52.12
  L03-PWR w0.254: v1(48.975,43.575) 51.075,45.675 51.075,51.687 v1(50.202,52.56)
6V_EN_B3: R67_B3.1 R69_B3.2 U9_B3.5 | length 14.8
  L01-SIG w0.254: v1(72.85,43.575) 74.006,43.575 R69_B3.2@74.017,43.564 74.033,43.58 R67_B3.1@76.17,43.58 ; v1(74.077,52.56) 74.517,52.12 U9_B3.5@75.109,52.12
  L03-PWR w0.254: v1(72.85,43.575) 74.95,45.675 74.95,51.687 v1(74.077,52.56)